# Altium PCB SVEC.pcbdoc (part 17 of 18)
Units mil, origin at the board's own origin, x right, y up, seen from the top; angles counter-clockwise.
Board outline 6349.25 x 9237.04 mil, 10 copper layers (Top Layer, L2 GND, L3, L4 PWR3.3, L5, L6, L7 GND, L8, L9 PWR, Bottom Layer), stack 58.268 mil thick; 906 components, 904 nets, 4753 pads, 3116 vias.
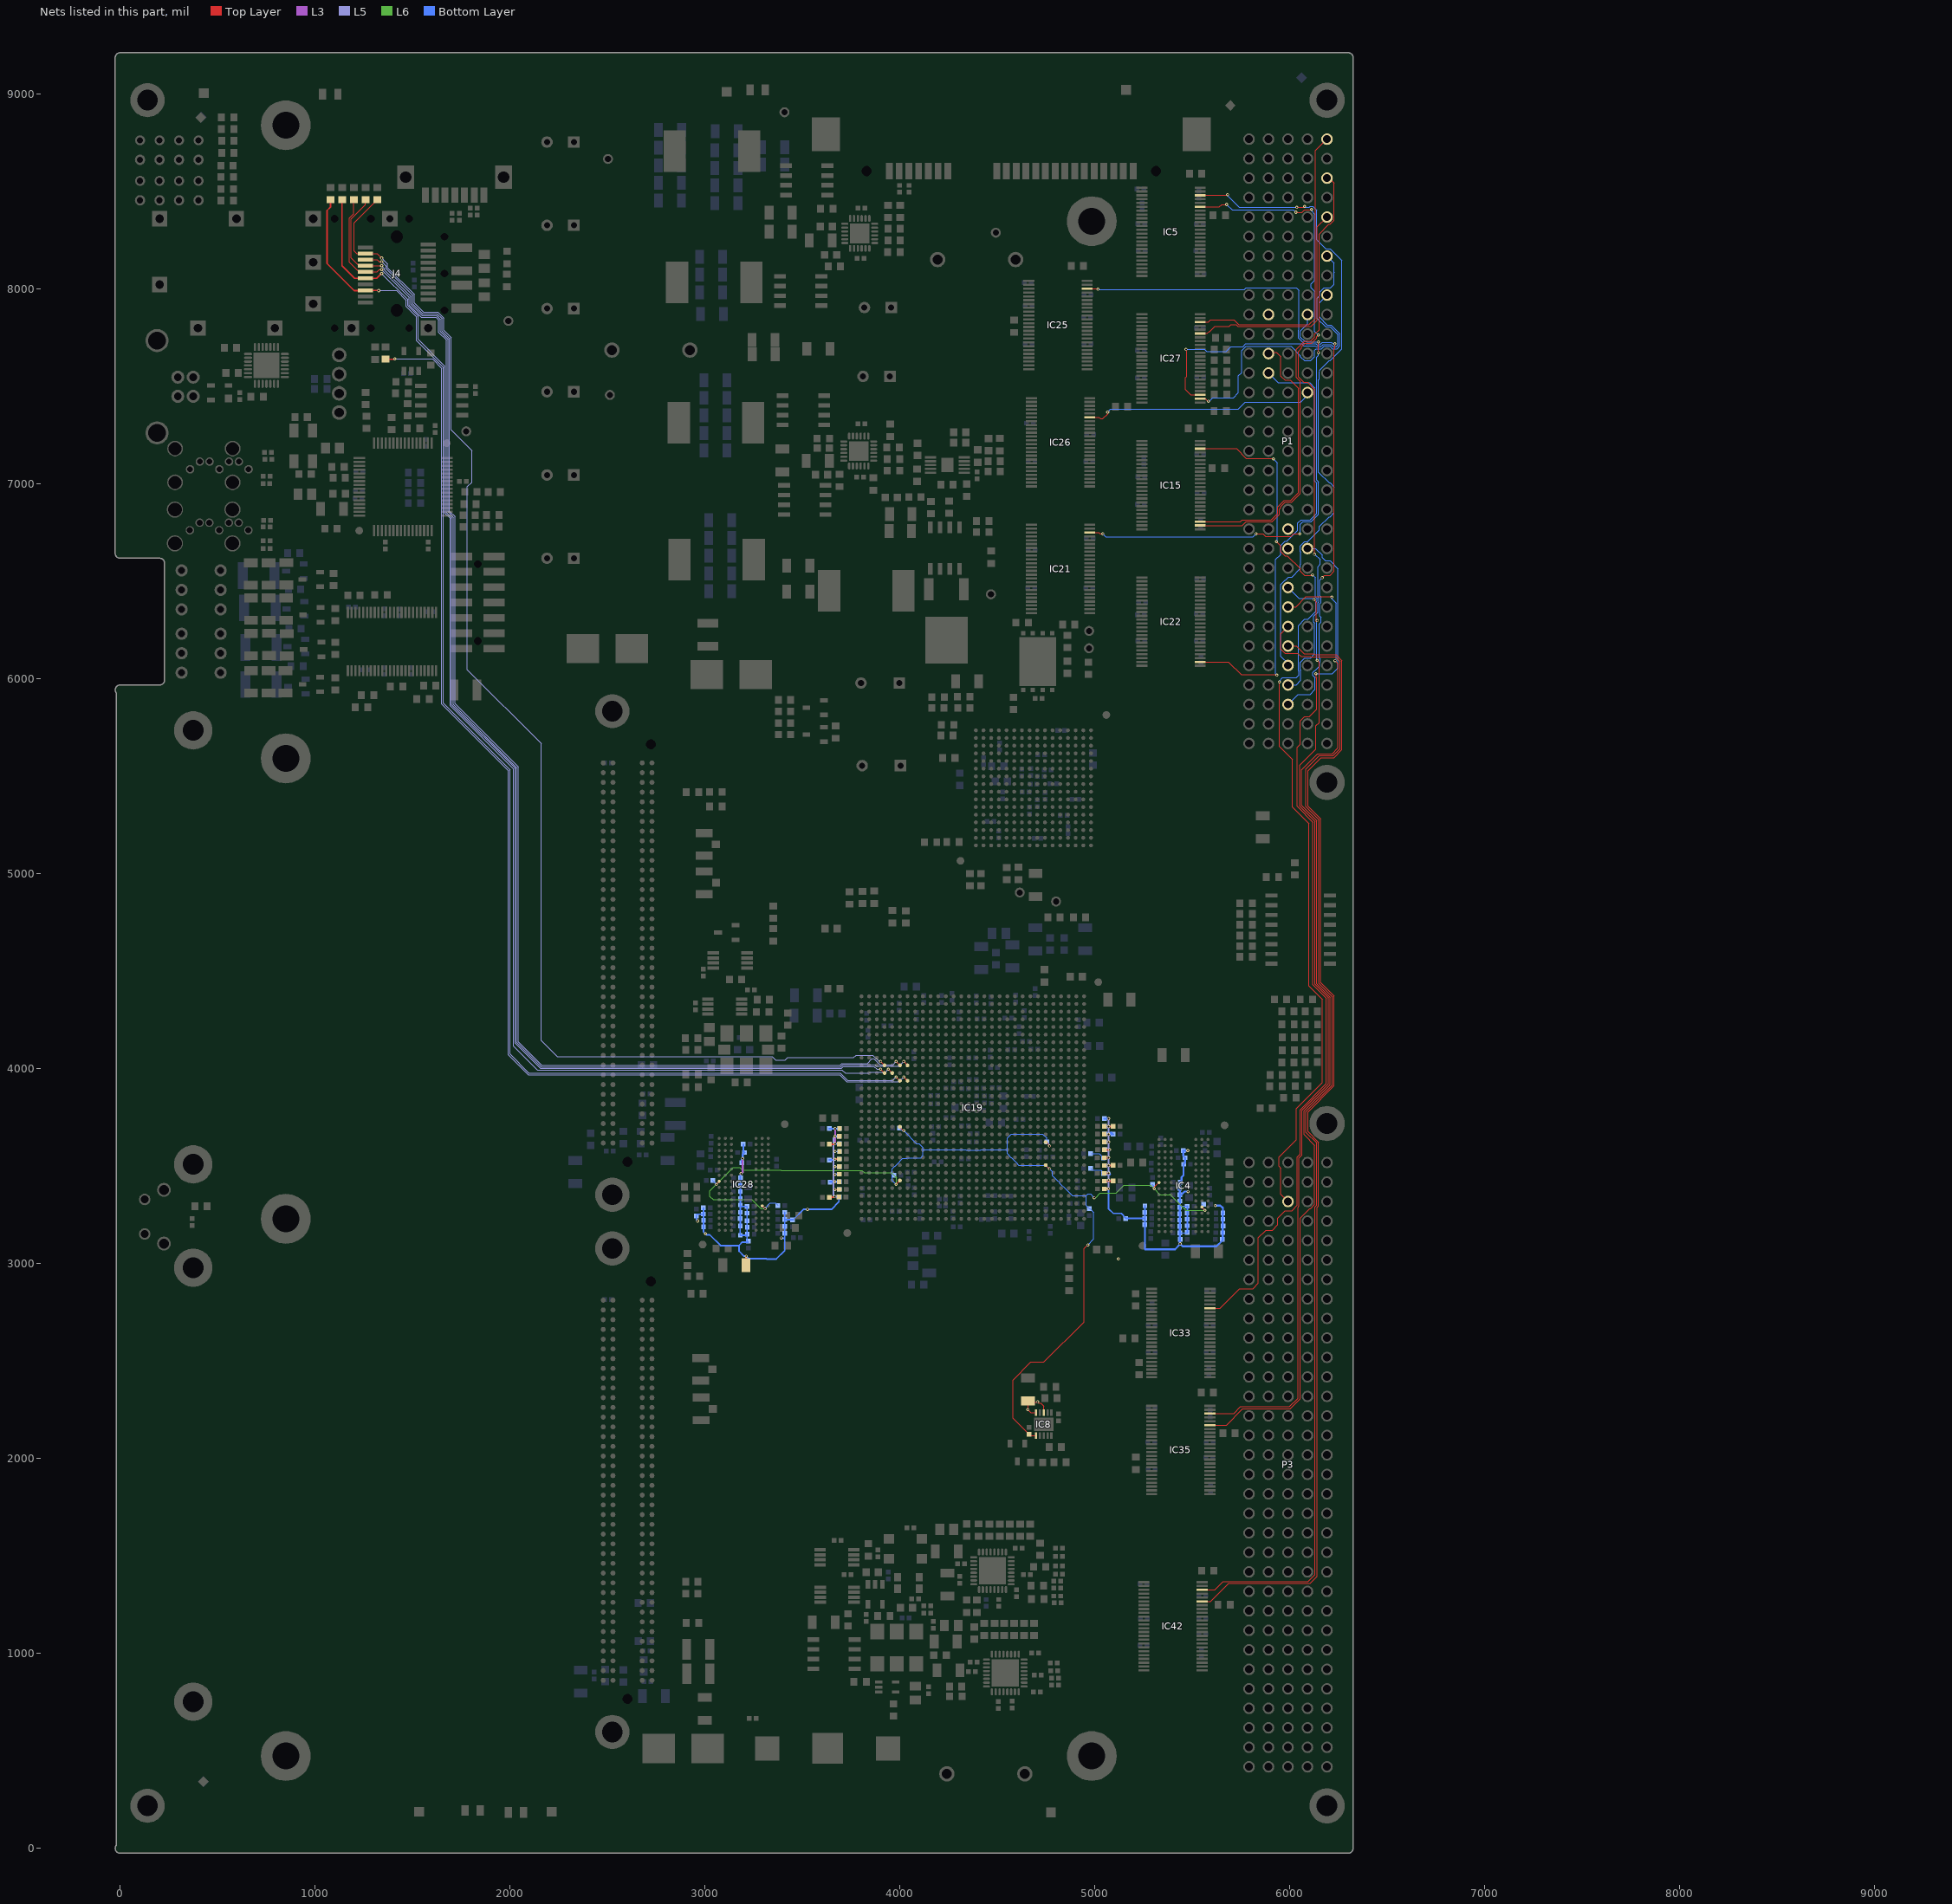
[diagram p25: the nets of this part, all layers, seen from the top]

## Via types
v1: diameter 15.75, hole 7.87, Top Layer to Bottom Layer, tented both sides, 2844 vias
v2: diameter 31.5, hole 15.75, Top Layer to Bottom Layer, tented both sides, 224 vias
v3: diameter 19.68, hole 7.87, Top Layer to Bottom Layer, tented both sides, 31 vias
v4: diameter 15.75, hole 7.87, Top Layer to Bottom Layer, 17 vias

## Nets (pads, with @x,y where several pads share a name; then routed paths per layer and width w, separated by ;. In a path a pad name is that pad's centre, name@x,y a point inside that pad or via, vN(x,y) a via of type N, cw(c..) or ccw(c..) an arc to the next point about the centre after c; other vN are vias at no path point) (continued)
VMEPX_IACKOUT_N: IC33.43 P1.a22 | length 4576.8
  Top Layer w5: IC33.43@5590.16,2771.46 5642.51,2771.46 5742.55,2871.51 5771.05,2871.51 ; 5771.07,2871.48 5810.03,2871.48 5837.58,2899.03 5837.58,3132.04 5877.02,3171.48 5910.03,3171.48 5937.58,3199.03 5937.58,3232.53 5976.53,3271.48 6010.03,3271.48 6037.58,3299.03 6037.58,3546.18 6052.5,3561.1 6052.5,3789 6187.55,3924.05 6187.55,4361.23 6118.55,4430.23 6118.55,5264.53 6036.55,5346.53 6036.55,5648 6053.53,5664.97 6053.53,5783.84 6075.22,5805.53 6100.58,5805.53 6138.55,5843.51 6138.55,6003.51 6135.55,6006.51 6135.55,6024.51 v1(6133.55,6026.51)
  Bottom Layer w5: P1.a22@6090.55,6668.51 6131.82,6668.51 6165.55,6634.77 6165.55,6622.51 6182.53,6605.53 6205.89,6605.53 6247.58,6563.84 6247.58,6054.53 6218.55,6025.51 6134.55,6025.51 v1(6133.55,6026.51)
VMEPX_IRQ1_N: IC25.46 P1.b30 | length 3570.9
  Top Layer w5: IC25.46@4960.16,8001.51 5012.55,8001.51 v1(5015.55,7998.51) ; v1(6165.55,6518.51) 6178.53,6531.48 6205.89,6531.48 6227.58,6553.17 6227.58,7693.51 6230.55,7696.48 v1(6230.55,7718.51)
  Bottom Layer w5: v1(5015.55,7998.51) 5016.93,7997.13 5766.82,7997.13 5775.22,8005.53 6033.53,8005.53 6045.55,7993.51 ; P1.b30@5990.55,5868.51 6041.55,5919.51 6103.55,5919.51 6129.08,5945.03 6129.08,6007.11 6118.18,6018.02 6118.18,6032.87 6127.19,6041.88 6128.93,6041.88 6153.53,6066.48 6153.53,6083.84 6154.93,6085.24 6154.93,6100.87 6150.55,6105.25 6150.55,6280.87 6159.37,6289.69 6159.37,6315.63 6153.53,6321.48 6153.53,6385.45 6158.93,6390.85 6158.93,6420.16 6153.53,6425.56 6153.53,6506.48 v1(6165.55,6518.51) ; 6045.55,7991.51 6045.55,7790.01 6043.53,7787.99 6043.53,7749.03 6071.07,7721.48 6078.44,7721.48 6081.41,7718.51 6133.81,7718.51 6139.19,7713.13 6151.92,7713.13 6157.67,7718.88 6160.28,7718.88 6166.93,7725.53 6214.18,7725.53 v1@6225.88,7713.83
VMEPX_IRQ2_N: IC5.43 P1.b29 | length 3312.8
  Top Layer w5: IC5.43@5540.16,8421.46 5638.51,8421.46 5650.55,8433.51 v1(5675.55,8433.51) ; v1(6030.55,8393.51) 6063.19,8393.51 6075.22,8405.53 6107.58,8405.53 v1(6110.55,8408.51) ; v1(6125.55,6638.51) 6127.58,6640.53 6127.58,7483.84 6089.95,7521.48 6071.07,7521.48 6043.53,7549.03 6043.53,7679.7 6060.55,7696.73 6060.55,7703.51 6078.53,7721.48 6110.03,7721.48 6137.58,7749.03 6137.58,7755.53 v1(6145.55,7763.51)
  Bottom Layer w5: v1(5675.55,8433.51) 5703.53,8405.53 6018.53,8405.53 v1(6030.55,8393.51) ; P1.b29@5990.55,5968.51 6032.58,5968.51 6055.93,5991.85 6055.93,6044.02 6053.53,6046.42 6053.53,6083.84 6075.22,6105.53 6105.89,6105.53 6127.58,6127.22 6127.58,6283.84 6121.74,6289.69 6121.74,6320.55 6143.53,6342.34 6143.53,6389.59 6148.93,6395 6148.93,6416.02 6143.53,6421.42 6143.53,6575.87 6155.55,6587.9 6155.55,6611.77 6127.19,6640.14 v1(6125.55,6638.51) ; v1(6110.55,8408.51) 6110.55,8400.87 6127.58,8383.84 6127.58,8044.68 6109.7,8026.79 6109.7,8006.39 6127.58,7988.51 6127.58,7781.48 v1(6145.55,7763.51)
VMEPX_IRQ3_N: IC5.46 P1.b28 | length 3291.7
  Top Layer w5: IC5.46@5540.16,8480.51 5677.56,8480.51 v1(5680.55,8483.51) ; v1(6035.55,8418.51) 6075.55,8418.51 v1(6075.55,8423.51)
  Bottom Layer w5: v1(5680.55,8483.51) 5680.55,8478.51 5740.55,8418.51 v1(6035.55,8418.51) ; P1.b28@5990.55,6068.51 5990.55,6078.51 5953.53,6115.53 5953.53,6483.84 5975.22,6505.53 5977.58,6505.53 5993.53,6521.48 6010.03,6521.48 6053.53,6564.97 6053.53,6585.87 6055.55,6587.9 6055.55,6651.14 6053.53,6653.17 6053.53,6682.43 6075.63,6704.53 6091.58,6704.53 6150.55,6763.51 6150.55,6780.87 6201.16,6831.48 6205.89,6831.48 6227.58,6853.17 6227.58,6983.84 6205.89,7005.53 6201.16,7005.53 6147.58,7059.11 6147.58,7533.79 6150.93,7537.14 6150.93,7575.91 6153.53,7578.51 6153.53,7583.84 6201.16,7631.48 6205.89,7631.48 6265.93,7691.52 6265.93,8145.5 6205.89,8205.53 6183.53,8205.53 6137.58,8251.48 6137.58,8403.22 6116.92,8423.88 6104.19,8423.88 6098.81,8418.51 6075.55,8418.51 v1(6075.55,8423.51)
VMEPX_IRQ4_N: IC42.43 P1.b27 | length 5898.3
  Top Layer w5: IC42.43@5550.16,1267.46 5593.51,1267.46 5685.55,1359.51 6104.7,1359.51 6140.55,1395.36 6140.55,3287.86 6147.58,3294.88 6147.58,3622.81 6092.5,3677.89 6092.5,3778.09 6227.55,3913.14 6227.55,4372.36 6158.55,4441.36 6158.55,5281.1 6092.5,5347.15 6092.5,5528.17 6159.84,5595.51 6225.84,5595.51 6267.55,5637.22 6267.55,6093.39 6237.44,6123.51 6126.55,6123.51 6121.55,6128.51 6073.82,6128.51 6033.82,6168.51 P1.b27@5990.55,6168.51
VMEPX_IRQ5_N: IC42.46 P1.b26 | length 6009.5
  Top Layer w5: IC42.46@5550.16,1326.51 5614.56,1326.51 5657.55,1369.51 6093.92,1369.51 6129.55,1405.14 6129.55,3291 6137.58,3299.03 6137.58,3618.67 6082.5,3673.75 6082.5,3780.82 6217.55,3915.87 6217.55,4369.41 6148.55,4438.41 6148.55,5276.96 6082.5,5343.01 6082.5,5537.45 6150.55,5605.51 6221.7,5605.51 6257.55,5641.36 6257.55,6089.25 6233.3,6113.51 6105.55,6113.51 6103.53,6115.53 6056.67,6115.53 6040.72,6131.48 5975.22,6131.48 5953.53,6153.17 5953.53,6231.48 P1.b26@5990.55,6268.51
VMEPX_IRQ6_N: IC35.43 P1.b25 | length 5192.5
  Top Layer w5: IC35.43@5590.16,2171.46 5674.51,2171.46 5758.58,2255.53 6002.72,2255.53 6053.53,2306.34 6053.53,3233.84 6101.16,3281.48 6105.89,3281.48 6127.58,3303.17 6127.58,3607.43 6072.5,3662.51 6072.5,3783.54 6207.55,3918.59 6207.55,4366.69 6138.55,4435.69 6138.55,5272.82 6060.55,5350.82 6060.55,5533.51 6142.55,5615.51 6217.55,5615.51 6247.55,5645.51 6247.55,6077.51 v1(6231.55,6093.51) ; P1.b25@5990.55,6368.51 6030.55,6368.51 6082.93,6420.88 6211.45,6420.88 6214.69,6417.64 v1(6215.55,6418.51)
  Bottom Layer w5: v1(6215.55,6418.51) 6215.55,6410.01 6237.58,6387.99 6237.58,6099.53 v1(6231.55,6093.51)
VMEPX_IRQ7_N: IC35.46 P1.b24 | length 4930.7
  Top Layer w5: IC35.46@5590.16,2230.51 5712.56,2230.51 5747.58,2265.53 5998.58,2265.53 6041.55,2308.51 6041.55,3288.86 6047.58,3294.88 6047.58,3542.04 6062.5,3556.96 6062.5,3786.27 6197.55,3921.32 6197.55,4363.96 6128.55,4432.96 6128.55,5268.67 6050.55,5346.67 6050.55,5556.51 6133.53,5639.48 6133.53,5758.51 6150.93,5775.91 6150.93,6083.13 v1(6139.55,6094.51) ; v1(6123.55,6405.51) 6135.55,6393.51 6135.55,6293.51 v1(6140.55,6298.51)
  Bottom Layer w5: P1.b24@5990.55,6468.51 6045.55,6413.51 6115.55,6413.51 v1(6123.55,6405.51) ; v1(6139.55,6094.51) 6137.58,6096.48 6137.58,6295.53 v1(6140.55,6298.51)
VMEPX_LWORD_N: IC22.26 P1.c13 | length 2291.1
  Top Layer w5: IC22.26@5540.16,6086.81 5685.25,6086.81 5750.58,6021.48 5910.03,6021.48 ; 5910.06,6021.51 5930.55,6021.51 v1(5933.55,6018.51)
  Bottom Layer w5: P1.c13@5890.55,7568.51 5939.55,7519.51 6101.58,7519.51 6127.58,7493.51 6127.58,7015.62 6137.58,7005.62 6137.58,6849.03 6104.09,6815.53 6057.58,6815.53 6040.55,6798.51 6040.55,6761.51 5984.58,6705.53 5975.22,6705.53 5953.53,6683.84 5953.53,6638.19 5927.58,6612.25 5927.58,6312.51 5927.58,6024.48 v1(5933.55,6018.51)
VMEPX_RETRY_N: IC15.46 P3.b3 | length 4674.8
  Top Layer w5: IC15.46@5540.16,7180.51 5726.18,7180.51 5775.22,7131.48 5912.58,7131.48 v1(5915.55,7128.51) ; v1(5930.55,6703.51) 5953.53,6680.53 5953.53,6653.17 5975.22,6631.48 5987.58,6631.48 6053.53,6565.53 6053.53,6553.17 6075.22,6531.48 6105.89,6531.48 6107.92,6533.51 v1(6115.55,6533.51) ; v1(5945.55,5983.51) 5945.55,5653.51 6012.42,5586.64 6012.42,5342.38 6098.55,5256.25 6098.55,4424.77 6167.55,4355.77 6167.55,3929.51 6032.5,3794.45 6032.5,3634.45 5943.53,3545.48 5943.53,3499.03 5953.53,3489.03 5953.53,3355.53 P3.b3@5990.55,3318.51
  Bottom Layer w5: v1(5915.55,7128.51) 5935.55,7108.51 5935.55,6708.51 v1(5930.55,6703.51) ; v1(5945.55,5983.51) 5945.55,5988.51 5962.58,6005.53 6032.58,6005.53 6045.93,6018.88 6045.93,6039.87 6043.53,6042.28 6043.53,6273.84 6075.22,6305.53 6092.58,6305.53 6133.53,6346.48 6133.53,6393.74 6138.93,6399.14 6138.93,6411.87 6130.55,6420.25 6130.55,6518.51 v1(6115.55,6533.51)
VMEPX_SERA: P1.b21
VMEPX_SERB: P1.b22
VMEPX_SYSCLK: IC21.46 P1.a10 | length 2393.2
  Top Layer w5: IC21.46@4973.16,6750.51 5020.55,6750.51 5027.55,6743.51 v1(5040.55,6743.51) ; v1(5825.55,6743.51) 5863.19,6743.51 5875.22,6731.48 6005.89,6731.48 6017.92,6743.51 v1(6050.55,6743.51) ; v1(6145.55,7673.51) v1(6145.55,7728.51)
  Bottom Layer w5: v1(5040.55,6743.51) 5055.55,6728.51 5810.55,6728.51 v1(5825.55,6743.51) ; v1(6050.55,6743.51) 6053.53,6746.48 6053.53,6793.51 6065.55,6805.53 6108.23,6805.53 6147.58,6844.88 6147.58,7009.76 6137.58,7019.76 6137.58,7650.64 6145.55,7658.61 v1(6145.55,7673.51) ; P1.a10@6090.55,7868.51 6090.55,7820.87 6053.53,7783.84 6053.53,7753.17 6075.22,7731.48 6082.58,7731.48 6085.55,7728.51 v1(6145.55,7728.51)
VMEPX_SYSFAIL: P1.c10
VMEPX_SYSRESET: IC15.27 P1.c12 | length 1406.6
  Top Layer w5: IC15.27@5540.16,6806.5 5746.5,6806.5 5755.53,6815.53 5904.09,6815.53 5937.58,6849.03 5937.58,6882.04 5971.07,6915.53 6004.09,6915.53 6043.53,6954.97 6043.53,7489.68 6001.72,7531.48 5975.22,7531.48 5953.53,7553.17 5953.53,7652.53 5931.55,7674.51 P1.c12@5890.55,7674.51
VMEPX_TCK: IC15.26 P1.z3 | length 2349.4
  Top Layer w5: IC15.26@5540.16,6786.81 5756.5,6786.81 5775.22,6805.53 5908.23,6805.53 5947.58,6844.88 5947.58,6871.53 5953.53,6877.48 5953.53,6883.84 5975.22,6905.53 6008.23,6905.53 6053.53,6950.83 6053.53,7524.88 6033.53,7544.88 6033.53,7690.62 6074.38,7731.48 6105.89,7731.48 6127.58,7753.17 6127.58,7767.28 6150.18,7789.87 6150.18,8282.1 6199.55,8331.48 6205.89,8331.48 6227.58,8353.17 6227.58,8543.48 P1.z3@6195.55,8575.51
VMEPX_TDI: IC27.27 P1.z7 | length 1701
  Top Layer w5: v1(5467.55,7689.51) 5470.93,7686.13 5470.93,7551.14 5465.18,7545.39 5465.18,7482.88 5491.56,7456.5 IC27.27@5540.16,7456.5
  Bottom Layer w5: v1(5467.55,7689.51) 5562.81,7689.51 5574.19,7678.13 5672.44,7678.13 5698.19,7703.88 5759.42,7703.88 5774.05,7718.51 6059.9,7718.51 6069.9,7708.51 6129.67,7708.51 6135.04,7703.13 6158.67,7703.13 6171.07,7715.53 6210.03,7715.53 6222.43,7703.13 6236.92,7703.13 6245.93,7712.14 6245.93,7765.5 6205.89,7805.53 6183.53,7805.53 6140.55,7848.51 6140.55,7953.51 6153.53,7966.48 6153.53,7983.84 6175.22,8005.53 6209.32,8005.53 6227.58,8023.79 6227.58,8083.84 6225.55,8085.87 6225.55,8133.51 P1.z7@6190.55,8168.51
VMEPX_TDO: IC27.43 P1.z5 | length 1186.9
  Top Layer w5: IC27.43@5540.16,7771.46 5576.51,7771.46 5585.67,7780.62 5587.95,7780.62 5616.45,7809.13 5689.44,7809.13 5698.19,7817.88 5710.92,7817.88 5711.92,7816.88 5724.92,7816.88 5734.3,7807.51 6108.55,7807.51 6140.18,7839.13 6140.18,8318.13 P1.z5@6190.55,8368.51
VMEPX_TMS: IC27.26 P1.z9 | length 1391.8
  Top Layer w5: IC27.26@5540.16,7436.81 5565.51,7436.81 5577.82,7424.51 v1(5582.55,7424.51)
  Bottom Layer w5: v1(5582.55,7424.51) 5586.55,7424.51 5604.18,7442.13 5709.92,7442.13 5735.83,7468.04 5735.83,7553.75 5753.53,7571.45 5753.53,7683.84 5775.22,7705.53 6005.89,7705.53 6053.53,7657.9 6053.53,7653.17 6075.22,7631.48 6105.89,7631.48 6127.58,7653.17 6127.58,7685.62 6135.09,7693.13 6162.82,7693.13 6175.22,7705.53 6205.89,7705.53 6218.29,7693.13 6241.06,7693.13 6255.93,7708 6255.93,7769.64 6210.03,7815.53 6191.16,7815.53 6150.55,7856.14 6150.55,7928.51 P1.z9@6190.55,7968.51 6197.55,7975.51 6197.55,7974.51 P1.z9@6198.55,7973.51
VMEPX_TRST: IC27.46 P1.z1 | length 1563.5
  Top Layer w5: IC27.46@5540.16,7830.51 5582.82,7830.51 5594.19,7841.88 5714.06,7841.88 5738.44,7817.51 6098.55,7817.51 6130.18,7849.13 6130.18,8710.13 6188.55,8768.51 P1.z1@6190.55,8768.51
VMEPX_WRITE_N: IC26.43 P1.a14 | length 1184.5
  Top Layer w5: IC26.43@4973.16,7341.46 5020.86,7341.46 5028.19,7334.13 5040.92,7334.13 5065.55,7358.76 v1(5065.55,7368.51)
  Bottom Layer w5: v1(5065.55,7368.51) 5080.93,7383.88 5735.93,7383.88 5770.55,7418.51 6054.55,7418.51 P1.a14@6096.55,7460.51
VREF_DDR3: C20.2 C68.2 C94.2 C152.2 C206.2 C235.2 C242.2 C243.2 C393.2 IC4.H1 IC4.M8 IC8.6 IC19.F25 IC19.H6 IC19.L6 IC19.N25 IC28.H1 IC28.M8 | length 5811.9
  Top Layer w5: v1(3057.55,3405.51) 3057.55,3407.24 IC28.H1@3072.57,3422.25 ; IC28.M8@3293.04,3296.27 3294.79,3296.27 3308.55,3282.51 v1(3308.55,3281.51) ; v1(3979.85,3406.81) IC19.F25@3999.54,3426.49 ; IC19.N25@3999.54,3702.08 3999.54,3698.52 v1@4019.55,3678.51 ; IC8.6@4698.18,2117.45 4668.89,2117.45 C68.2@4661.55,2124.79 4579.55,2206.79 4579.55,2402.83 4671.23,2494.51 4738.55,2494.51 4944.55,2700.51 4944.55,3076.51 v1@4962.55,3094.51 ; IC19.H6@4747.57,3505.23 v1(4767.25,3485.55) ; IC19.L6@4747.57,3623.34 4750.72,3623.34 v1@4765.55,3608.51 ; 5304.55,3392.51 5317.55,3405.51 ; 5318.55,3405.51 5328.57,3415.52 IC4.H1@5328.57,3416.25 ; IC4.M8@5549.04,3290.27 5549.04,3289.02 v1(5564.55,3273.51)
  L6 w5: v1(3308.55,3281.51) 3286.23,3281.51 3239.23,3328.51 3041.55,3328.51 3025.55,3344.51 3025.55,3373.51 v1(3057.55,3405.51) 3144.93,3492.88 3177.18,3492.88 3190.93,3479.13 3389.93,3479.13 3390.55,3478.51 3804.08,3478.51 3817.08,3465.51 3956.55,3465.51 3981.69,3440.37 v1@3981.69,3406.52 ; v1(4996.55,3338.51) 5004.55,3338.51 5027.55,3361.51 5108.55,3361.51 5148.55,3401.51 5286.93,3401.51 v1(5304.55,3383.88) 5334.3,3354.13 5384.18,3354.13 5384.55,3354.51 5465.55,3273.51 v1(5564.55,3273.51)
  Bottom Layer w5: C393.2@3041.27,3426.51 3041.27,3425.06 3057.55,3408.77 v1(3057.55,3405.51) ; v1(3308.55,3281.51) 3308.55,3284.83 3334.6,3310.88 3361.46,3310.88 C242.2@3372.84,3299.51 ; v1(3979.85,3406.81) 3960.17,3426.49 3960.17,3486.19 3973.9,3499.92 3975.19,3499.92 3999.54,3524.27 3999.54,3525.56 4013.62,3539.64 4035.69,3539.64 4038.69,3542.64 4106.69,3542.64 4118.69,3554.64 4118.69,3580.64 ; C243.2@3997.27,3694.51 3998.82,3694.51 4010.93,3682.4 v1(4019.22,3682.4) 4085.33,3616.29 4097.06,3616.29 4118.69,3594.66 4118.69,3580.64 ; 4550.72,3585.67 4549.02,3583.97 4414.69,3583.97 4412.59,3581.88 4340.78,3581.88 4338.64,3584.01 4122.06,3584.01 4118.69,3580.64 ; v1(4767.25,3603.66) 4767.25,3609.79 C206.2@4752.4,3624.64 4752.4,3643.25 4730.64,3665.01 4572.06,3665.01 4550.72,3643.67 4550.72,3563.64 4569.76,3544.6 4571.05,3544.6 4595.4,3520.25 4595.4,3518.96 4609.13,3505.23 4747.57,3505.23 v1(4767.25,3485.55) 4781.63,3471.17 4781.63,3450.84 4808.43,3424.04 4809.69,3424.04 4812.55,3421.18 ; 4812.58,3421.18 4821,3412.76 4821,3411.47 4847.83,3384.64 4849.12,3384.64 4860.37,3373.39 ; v1(4963.55,3095.51) 4993.69,3125.64 4993.69,3262.18 4974.51,3281.36 C94.2@4970.69,3281.36 4955.23,3296.82 4955.23,3348.51 ; v1(4996.55,3338.51) 4977.18,3357.88 4964.6,3357.88 4955.23,3348.51 ; C152.2@5294.84,3405.51 C152.2@5294.55,3405.79 5294.55,3403.77 5304.55,3393.77 v1(5304.55,3383.88) ; C235.2@5551.84,3303.51 5551.84,3286.22 v1(5564.55,3273.51) ; 4860.37,3373.39 4860.37,3372.1 4883.51,3348.96 ; 4860.37,3373.39 4870.99,3362.77 4870.99,3361.48 4883.51,3348.96 ; 4883.51,3348.96 4891.51,3348.96 4891.96,3348.51 4955.23,3348.51
VTT_DDR3: C62.2 C95.2 C96.2 C97.2 C98.2 C99.2 C112.2 C113.2 C114.2 C115.2 C180.2 C397.2 C398.2 C399.2 C400.2 C401.2 C402.2 C403.2 C404.2 C405.2 C406.2 IC8.3 IC8.5 R39.2 R40.2 R41.2 R42.2 R43.2 R44.2 R45.2 R46.2 R47.2 R48.2 R49.2 R50.2 R52.2 R53.2 R54.2 R55.2 R56.2 R57.2 R58.2 R59.2 R61.2 R62.2 R63.2 R64.2 R65.2 R66.2 R67.2 R68.2 R69.2 R70.2 R71.2 R72.2 R73.2 R74.2 R75.2 R76.2 R77.2 R78.2 R79.2 R80.2 R81.2 R85.2 R94.2 R181.2 R182.2 R261.2 R264.2 R265.2 R266.2 R267.2 R269.2 R271.2 R272.2 R273.2 R280.2 R281.2 R282.2 R283.2 R284.2 R287.2 R288.2 R289.2 R290.2 R292.2 R293.2 R294.2 R295.2 R296.2 R297.2 R298.2 R299.2 R300.2 R301.2 R302.2 R303.2 R304.2 R305.2 R306.2 R307.2 R308.2 R309.2 R310.2 R311.2 R312.2 R313.2 R314.2 | length 6247.2
  Top Layer w4: v1(3666.55,3380.51) R307.2@3686.84,3380.51
  Top Layer w5: IC8.5@4698.18,2235.56 4670.61,2235.56 4670.55,2235.51 4657.55,2248.51 C62.2@4657.55,2295.45 4664.36,2288.64 4704.69,2288.64 v1(4706.11,2290.06) 4711.84,2284.32 4721.74,2284.32 4737.55,2268.51 IC8.3@4737.55,2235.56
  Top Layer w8: C180.2@3209.61,2991.51 3209.61,3036.56 v1(3211.55,3038.51) ; v1@3662.55,3340.51 v1@3663.55,3341.51
  Top Layer w10: C397.2@3637.27,3612.51 3665.55,3612.51 v1(3667.55,3614.51) ; C404.2@3638.27,3340.51 v1@3662.55,3340.51 ; v1@3663.55,3341.51 v1(3665.55,3343.51) ; v1@3667.55,3536.51 R292.2@3686.84,3536.51 ; R313.2@3686.84,3458.51 3686.84,3458.22 R313.2@3687.55,3457.51 ; R57.2@5048.27,3383.51 5070.55,3383.51 v1(5069.67,3384.39) ; R78.2@5048.27,3423.51 C99.2@5092.84,3423.51 ; R56.2@5048.27,3463.51 v1(5070.55,3463.51) ; R72.2@5048.27,3543.51 v1(5070.55,3543.51) ; R71.2@5048.27,3583.51 v1@5070.55,3583.51 ; v1(5070.55,3503.51) C114.2@5092.84,3503.51 ; v1(5070.55,3703.51) C95.2@5092.84,3703.51
  L3 w4: v1(3666.55,3380.51) v1@3667.55,3381.51 ; v1(3666.55,3497.51) v1@3667.55,3496.51 ; v1(3667.55,3575.51) v1@3668.55,3576.51
  L3 w10: v1@3186.69,3462.64 3193.05,3469.01 v1(3193.05,3539.01) ; v1(3667.55,3614.51) v1(3667.55,3653.51) v1(3667.55,3692.51)
  L5 w8: v1(3665.55,3343.51) 3658.69,3350.37 3658.69,3419.51 3658.69,3497.51 3658.69,3614.51 3658.69,3643.51 3663.82,3648.64 v1@3672.69,3648.64 ; v1(5069.67,3384.39) 5070.55,3383.51 v1@5070.55,3423.51 ; v1(5070.55,3428.51) v1(5070.55,3463.51) v1(5070.55,3503.51) v1(5070.55,3543.51) v1(5070.55,3623.51) v1(5070.55,3663.51) v1(5070.55,3703.51) v1(5070.55,3743.51)
  Bottom Layer w4: v1(3666.55,3497.51) R295.2@3686.84,3497.51 ; v1(3667.55,3575.51) R306.2@3687.84,3575.51
  Bottom Layer w5: R59.2@4978.27,3488.51 4986.96,3479.82 5030.51,3479.82 5042.27,3468.06 5042.27,3463.51 R81.2@5044.27,3461.51 ; R80.2@4983.27,3563.51 5023.27,3563.51 5043.27,3543.51 v1(5070.55,3543.51) ; 5058.69,3455.64 5076.69,3455.64 5079.69,3458.64 5074.82,3463.51 v1(5070.55,3463.51) ; R39.2@5434.27,3288.51 5435.27,3289.51 5440.27,3294.51 R65.2@5472.84,3294.51 R48.2@5472.84,3227.51 R43.2@5472.84,3194.51 5472.84,3160.51 R85.2@5473.84,3159.51 5471.84,3157.51 R42.2@5435.27,3157.51
  Bottom Layer w8: C405.2@2955.55,3244.79 2955.55,3224.77 v1(2961.69,3218.64) ; C405.2@2956.27,3253.51 2990.84,3253.51 R287.2@2991.84,3254.51 ; R261.2@2991.84,3286.51 R287.2@2991.84,3254.51 ; R281.2@2992.84,3188.51 R281.2@2991.84,3189.51 ; R288.2@3180.27,3230.51 3180.27,3146.51 R267.2@3181.27,3145.51 3211.84,3145.51 R297.2@3215.84,3149.51 ; R273.2@3181.27,3193.51 R290.2@3181.27,3263.51 R181.2@3181.27,3300.51 ; v1(3185.59,3461.47) 3181.27,3457.22 R266.2@3181.27,3401.51 R265.2@3181.27,3369.51 R264.2@3181.27,3333.51 R181.2@3181.27,3300.51 ; R297.2@3216.84,3150.51 R297.2@3215.84,3149.51 ; v1(3390.69,3131.64) 3392.69,3129.64 3409.27,3129.64 ; R182.2@3409.27,3263.51 R284.2@3409.27,3226.51 ; v1(3665.55,3343.51) 3684.84,3343.51 3686.84,3341.51 3686.84,3316.79 3648.55,3278.51 v1(3525.69,3278.51) 3505.55,3278.51 3452.27,3225.22 C398.2@3449.55,3225.22 3410.55,3225.22 R284.2@3409.27,3226.51 ; v1(5069.67,3384.39) 5069.67,3282.39 5094.55,3257.51 5134.82,3257.51 5158.27,3234.06 C96.2@5158.27,3231.51 5254.84,3231.51 R46.2@5255.84,3230.51 ; v1(5120.69,3024.64) v1@5124.55,3024.64 ; R281.2@2991.84,3189.51 R287.2@2991.84,3254.51 ; R281.2@2991.84,3189.51 2991.84,3163.22 v1(3002.05,3153.01) 3007.55,3147.51 3024.55,3147.51 3079.55,3092.51 3174.55,3092.51 ; 3174.55,3092.51 3192.27,3110.22 3221.55,3110.22 3215.84,3115.94 R297.2@3215.84,3149.51 ; 3174.55,3092.51 3174.55,3063.51 3199.55,3038.51 v1(3211.55,3038.51) 3224.55,3025.51 3314.55,3025.51 3316.43,3023.63 3365.68,3023.63 3409.27,3067.22 3409.27,3129.64 ; R181.2@3181.27,3300.51 3188.27,3293.51 R272.2@3215.84,3293.51 R269.2@3215.84,3258.51 R289.2@3215.84,3220.51 3215.84,3186.51 R297.2@3215.84,3149.51 ; 3409.27,3129.64 R280.2@3409.27,3155.51 R282.2@3409.27,3191.51 R284.2@3409.27,3226.51
  Bottom Layer w10: R296.2@3188.84,3517.51 3188.84,3534.79 v1(3193.05,3539.01) 3193.05,3560.29 R298.2@3202.27,3569.51 3196.84,3574.94 C401.2@3196.84,3612.51 ; C403.2@3637.27,3531.51 3662.55,3531.51 v1(3666.55,3535.51) 3667.55,3536.51 R293.2@3686.84,3536.51 ; C399.2@3638.27,3692.51 v1(3667.55,3692.51) R302.2@3687.84,3692.51 ; C400.2@3641.27,3418.51 3642.27,3419.51 v1(3666.55,3419.51) R309.2@3686.84,3419.51 ; v1(3666.55,3458.51) R314.2@3686.84,3458.51 ; v1(3667.55,3614.51) R305.2@3687.84,3614.51 ; v1(3667.55,3653.51) R301.2@3687.84,3653.51 ; R79.2@5048.27,3423.51 5065.55,3423.51 v1(5070.55,3428.51) ; R50.2@5048.27,3503.51 v1(5070.55,3503.51) ; R75.2@5048.27,3623.51 v1(5070.55,3623.51) ; R76.2@5048.27,3663.51 v1(5070.55,3663.51) C112.2@5092.84,3663.51 5085.7,3670.64 5060.69,3670.64 ; R77.2@5048.27,3703.51 v1(5070.55,3703.51) ; R55.2@5048.27,3743.51 v1(5070.55,3743.51) ; R54.2@5053.27,3583.51 v1(5075.55,3583.51) ; R45.2@5255.84,3199.51 R45.2@5256.84,3200.51 ; R40.2@5256.84,3296.51 R45.2@5256.84,3200.51 ; C98.2@5436.84,3123.51 v1(5436.84,3101.22) 5449.55,3088.51 5623.55,3088.51 5655.27,3120.22 R66.2@5655.27,3158.51 5655.27,3258.51 R61.2@5656.27,3259.51 ; C115.2@5453.27,3579.51 5473.55,3579.51 v1@5473.69,3579.64 ; C115.2@5453.55,3576.79 5453.55,3552.22 R73.2@5462.27,3543.51 5462.27,3516.94 R94.2@5454.84,3509.51 5454.84,3452.79 5444.69,3442.64 5444.69,3425.92 C97.2@5437.27,3418.51 5435.27,3416.51 R41.2@5435.27,3352.51 ; R65.2@5472.84,3294.51 5473.84,3293.51 R85.2@5473.84,3159.51 ; v1(5477.69,3369.64) 5459.69,3369.64 5442.55,3352.51 R41.2@5435.27,3352.51 ; v1(5616.69,3297.64) 5643.69,3297.64 5656.27,3285.06 R61.2@5656.27,3259.51 ; R61.2@5657.27,3258.51 R61.2@5656.27,3259.51 ; R45.2@5256.84,3200.51 5256.84,3073.51 5410.55,3073.51 5435.27,3098.22 R42.2@5435.27,3157.51 5435.27,3288.51 5435.27,3289.51 R62.2@5435.27,3320.51 R41.2@5435.27,3352.51